# KiCad board first_keyboard.kicad_pcb (continued)
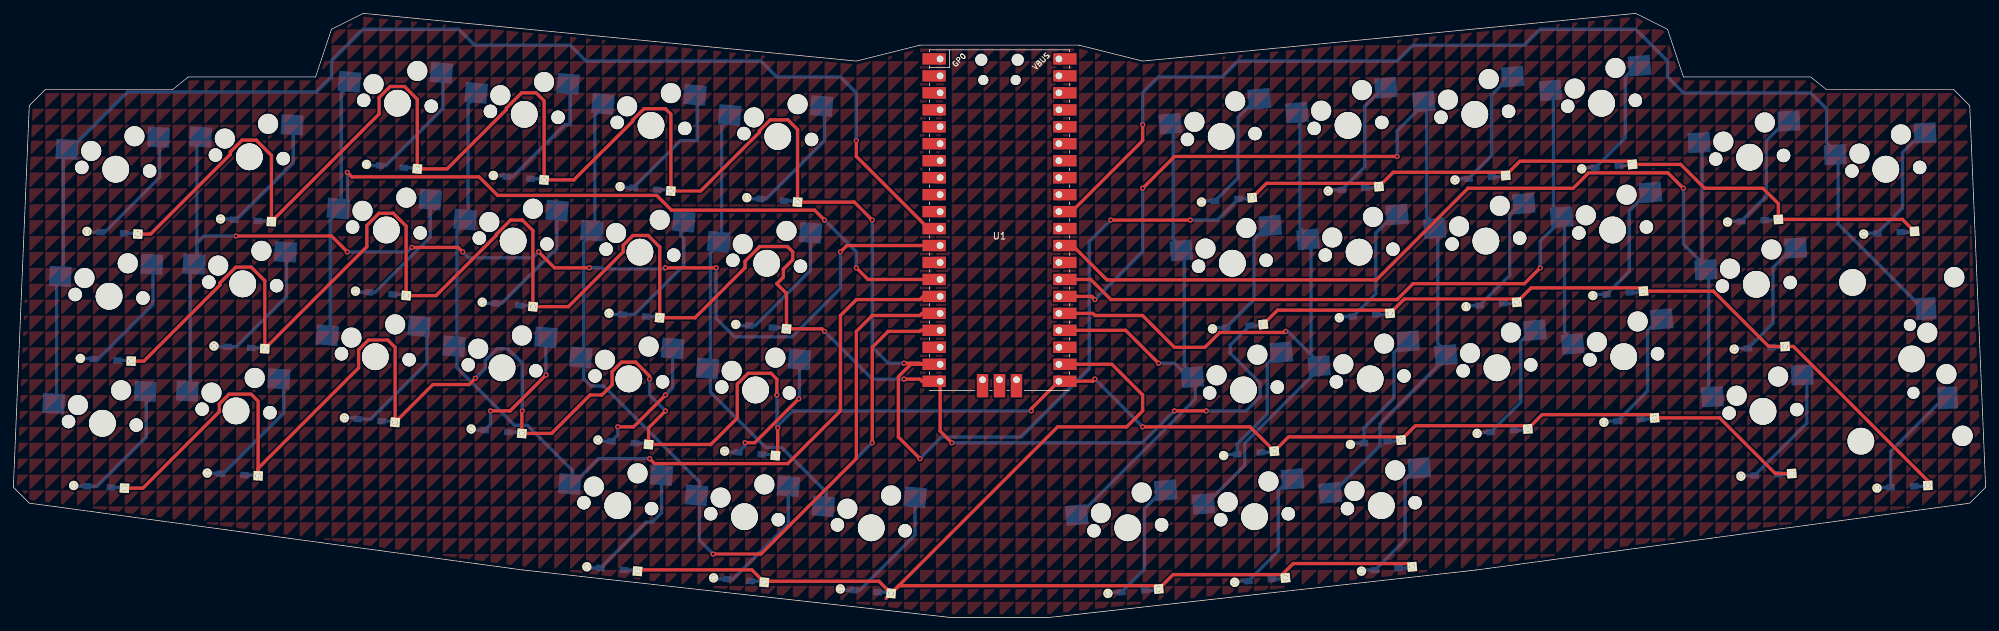
[diagram p0: board, top side]
## Copper pours and planes (outline as drawn; the poured copper is in the pictures) (continued)
(no net) on Top, Bottom: 233.36,28.57 233.36,26.19 235.74,28.57
(no net) on Top, Bottom: 128.59,133.35 128.59,130.97 130.97,133.35
(no net) on Top, Bottom: 59.53,100.01 59.53,97.63 61.91,100.01
(no net) on Top, Bottom: 47.62,102.39 47.62,100.01 50.01,102.39
(no net) on Top, Bottom: 214.31,85.72 214.31,83.34 216.69,85.72
(no net) on Top, Bottom: 219.07,111.92 219.07,109.54 221.46,111.92
(no net) on Top, Bottom: 145.26,73.82 145.26,71.44 147.64,73.82
(no net) on Top, Bottom: 164.31,111.92 164.31,109.54 166.69,111.92
(no net) on Top, Bottom: 80.96,9.53 80.96,7.14 83.34,9.53
(no net) on Top, Bottom: 245.27,71.44 245.27,69.06 247.65,71.44
(no net) on Top, Bottom: 230.98,52.39 230.98,50.01 233.36,52.39
(no net) on Top, Bottom: 50.01,126.21 50.01,123.83 52.39,126.21
(no net) on Top, Bottom: 209.55,-19.05 209.55,-21.43 211.93,-19.05
(no net) on Top, Bottom: 147.64,52.39 147.64,50.01 150.02,52.39
(no net) on Top, Bottom: 54.77,102.39 54.77,100.01 57.15,102.39
(no net) on Top, Bottom: 9.53,69.06 9.53,66.68 11.91,69.06
(no net) on Top, Bottom: 304.8,138.11 304.8,135.73 307.18,138.11
(no net) on Top, Bottom: 54.77,61.91 54.77,59.53 57.15,61.91
(no net) on Top, Bottom: 300.04,109.54 300.04,107.16 302.42,109.54
(no net) on Top, Bottom: 102.39,30.96 102.39,28.57 104.77,30.96
(no net) on Top, Bottom: 169.07,85.72 169.07,83.34 171.45,85.72
(no net) on Top, Bottom: 195.26,59.53 195.26,57.15 197.64,59.53
(no net) on Top, Bottom: 30.96,76.2 30.96,73.82 33.34,76.2
(no net) on Top, Bottom: 300.04,104.78 300.04,102.39 302.42,104.78
(no net) on Top, Bottom: 140.49,-26.19 140.49,-28.57 142.88,-26.19
(no net) on Top, Bottom: 16.67,83.34 16.67,80.96 19.05,83.34
(no net) on Top, Bottom: 304.8,42.86 304.8,40.48 307.18,42.86
(no net) on Top, Bottom: 9.53,-30.96 9.53,-33.34 11.91,-30.96
(no net) on Top, Bottom: 259.56,78.58 259.56,76.2 261.94,78.58
(no net) on Top, Bottom: 295.27,0 295.27,-2.38 297.66,0
(no net) on Top, Bottom: 273.84,78.58 273.84,76.2 276.22,78.58
(no net) on Top, Bottom: 135.73,116.68 135.73,114.3 138.11,116.68
(no net) on Top, Bottom: 16.67,97.63 16.67,95.25 19.05,97.63
(no net) on Top, Bottom: 116.68,128.59 116.68,126.21 119.06,128.59
(no net) on Top, Bottom: 190.5,135.73 190.5,133.35 192.88,135.73
(no net) on Top, Bottom: 47.62,33.34 47.62,30.96 50.01,33.34
(no net) on Top, Bottom: 230.98,30.96 230.98,28.57 233.36,30.96
(no net) on Top, Bottom: 190.5,80.96 190.5,78.58 192.88,80.96
(no net) on Top, Bottom: 133.35,57.15 133.35,54.77 135.73,57.15
(no net) on Top, Bottom: 304.8,47.62 304.8,45.24 307.18,47.62
(no net) on Top, Bottom: 121.44,-2.38 121.44,-4.76 123.83,-2.38
(no net) on Top, Bottom: 278.61,121.44 278.61,119.06 280.99,121.44
(no net) on Top, Bottom: 164.31,-33.34 164.31,-35.72 166.69,-33.34
(no net) on Top, Bottom: 290.51,21.43 290.51,19.05 292.89,21.43
(no net) on Top, Bottom: 250.03,2.38 250.03,0 252.41,2.38
(no net) on Top, Bottom: 292.89,11.91 292.89,9.53 295.27,11.91
(no net) on Top, Bottom: 135.73,-4.76 135.73,-7.14 138.11,-4.76
(no net) on Top, Bottom: 197.64,-28.57 197.64,-30.96 200.02,-28.57
(no net) on Top, Bottom: 192.88,104.78 192.88,102.39 195.26,104.78
(no net) on Top, Bottom: 302.42,150.02 302.42,147.64 304.8,150.02
(no net) on Top, Bottom: 211.93,23.81 211.93,21.43 214.31,23.81
(no net) on Top, Bottom: 14.29,97.63 14.29,95.25 16.67,97.63
(no net) on Top, Bottom: 207.17,57.15 207.17,54.77 209.55,57.15
(no net) on Top, Bottom: 226.22,102.39 226.22,100.01 228.6,102.39
(no net) on Top, Bottom: 252.41,4.76 252.41,2.38 254.79,4.76
(no net) on Top, Bottom: 190.5,-21.43 190.5,-23.81 192.88,-21.43
(no net) on Top, Bottom: 76.2,50.01 76.2,47.62 78.58,50.01
(no net) on Top, Bottom: 50.01,7.14 50.01,4.76 52.39,7.14
(no net) on Top, Bottom: 247.65,30.96 247.65,28.57 250.03,30.96
(no net) on Top, Bottom: 50.01,150.02 50.01,147.64 52.39,150.02
(no net) on Top, Bottom: 33.34,2.38 33.34,0 35.72,2.38
(no net) on Top, Bottom: 152.4,-28.57 152.4,-30.96 154.78,-28.57
(no net) on Top, Bottom: 166.69,64.29 166.69,61.91 169.07,64.29
(no net) on Top, Bottom: 233.36,128.59 233.36,126.21 235.74,128.59
(no net) on Top, Bottom: 223.84,130.97 223.84,128.59 226.22,130.97
(no net) on Top, Bottom: 54.77,-4.76 54.77,-7.14 57.15,-4.76
(no net) on Top, Bottom: 245.27,116.68 245.27,114.3 247.65,116.68
(no net) on Top, Bottom: 185.74,-23.81 185.74,-26.19 188.12,-23.81
(no net) on Top, Bottom: 188.12,90.49 188.12,88.11 190.5,90.49
(no net) on Top, Bottom: 154.78,-30.96 154.78,-33.34 157.16,-30.96
(no net) on Top, Bottom: 209.55,116.68 209.55,114.3 211.93,116.68
(no net) on Top, Bottom: 228.6,-16.67 228.6,-19.05 230.98,-16.67
(no net) on Top, Bottom: 2.38,71.44 2.38,69.06 4.76,71.44
(no net) on Top, Bottom: 38.1,-7.14 38.1,-9.53 40.48,-7.14
(no net) on Top, Bottom: 23.81,-23.81 23.81,-26.19 26.19,-23.81
(no net) on Top, Bottom: 154.78,-16.67 154.78,-19.05 157.16,-16.67
(no net) on Top, Bottom: 226.22,107.16 226.22,104.78 228.6,107.16
(no net) on Top, Bottom: 207.17,97.63 207.17,95.25 209.55,97.63
(no net) on Top, Bottom: 240.51,-16.67 240.51,-19.05 242.89,-16.67
(no net) on Top, Bottom: 269.08,114.3 269.08,111.92 271.46,114.3
(no net) on Top, Bottom: 304.8,11.91 304.8,9.53 307.18,11.91
(no net) on Top, Bottom: 176.21,100.01 176.21,97.63 178.59,100.01
(no net) on Top, Bottom: 280.99,-2.38 280.99,-4.76 283.37,-2.38
(no net) on Top, Bottom: 69.06,4.76 69.06,2.38 71.44,4.76
(no net) on Top, Bottom: 197.64,-2.38 197.64,-4.76 200.02,-2.38
(no net) on Top, Bottom: 242.89,-38.1 242.89,-40.48 245.27,-38.1
(no net) on Top, Bottom: 230.98,19.05 230.98,16.67 233.36,19.05
(no net) on Top, Bottom: 38.1,45.24 38.1,42.86 40.48,45.24
(no net) on Top, Bottom: 264.32,-23.81 264.32,-26.19 266.7,-23.81
(no net) on Top, Bottom: 161.93,33.34 161.93,30.96 164.31,33.34
(no net) on Top, Bottom: 76.2,116.68 76.2,114.3 78.58,116.68
(no net) on Top, Bottom: 92.87,-2.38 92.87,-4.76 95.25,-2.38
(no net) on Top, Bottom: 83.34,80.96 83.34,78.58 85.73,80.96
(no net) on Top, Bottom: 4.76,66.68 4.76,64.29 7.14,66.68
(no net) on Top, Bottom: 247.65,14.29 247.65,11.91 250.03,14.29
(no net) on Top, Bottom: 57.15,-26.19 57.15,-28.57 59.53,-26.19
(no net) on Top, Bottom: 204.79,26.19 204.79,23.81 207.17,26.19
(no net) on Top, Bottom: 185.74,-21.43 185.74,-23.81 188.12,-21.43
(no net) on Top, Bottom: 190.5,57.15 190.5,54.77 192.88,57.15
(no net) on Top, Bottom: 195.26,47.62 195.26,45.24 197.64,47.62
(no net) on Top, Bottom: 50.01,88.11 50.01,85.72 52.39,88.11
(no net) on Top, Bottom: 23.81,19.05 23.81,16.67 26.19,19.05
(no net) on Top, Bottom: 147.64,-19.05 147.64,-21.43 150.02,-19.05
(no net) on Top, Bottom: 11.91,7.14 11.91,4.76 14.29,7.14
(no net) on Top, Bottom: 280.99,11.91 280.99,9.53 283.37,11.91
(no net) on Top, Bottom: 123.83,80.96 123.83,78.58 126.21,80.96
(no net) on Top, Bottom: 35.72,107.16 35.72,104.78 38.1,107.16
(no net) on Top, Bottom: 185.74,109.54 185.74,107.16 188.12,109.54
(no net) on Top, Bottom: 57.15,66.68 57.15,64.29 59.53,66.68
(no net) on Top, Bottom: 180.98,61.91 180.98,59.53 183.36,61.91
(no net) on Top, Bottom: 47.62,-14.29 47.62,-16.67 50.01,-14.29
(no net) on Top, Bottom: 188.12,66.68 188.12,64.29 190.5,66.68
(no net) on Top, Bottom: 266.7,97.63 266.7,95.25 269.08,97.63
(no net) on Top, Bottom: 223.84,-19.05 223.84,-21.43 226.22,-19.05
(no net) on Top, Bottom: 85.73,-2.38 85.73,-4.76 88.11,-2.38
(no net) on Top, Bottom: 157.16,-38.1 157.16,-40.48 159.54,-38.1
(no net) on Top, Bottom: 230.98,97.63 230.98,95.25 233.36,97.63
(no net) on Top, Bottom: 116.68,2.38 116.68,0 119.06,2.38
(no net) on Top, Bottom: 235.74,40.48 235.74,38.1 238.12,40.48
(no net) on Top, Bottom: 188.12,147.64 188.12,145.26 190.5,147.64
(no net) on Top, Bottom: 207.17,107.16 207.17,104.78 209.55,107.16
(no net) on Top, Bottom: 71.44,-16.67 71.44,-19.05 73.82,-16.67
(no net) on Top, Bottom: 66.67,97.63 66.67,95.25 69.06,97.63
(no net) on Top, Bottom: 19.05,45.24 19.05,42.86 21.43,45.24
(no net) on Top, Bottom: 123.83,-19.05 123.83,-21.43 126.21,-19.05
(no net) on Top, Bottom: 302.42,147.64 302.42,145.26 304.8,147.64
(no net) on Top, Bottom: 216.69,145.26 216.69,142.88 219.07,145.26
(no net) on Top, Bottom: 278.61,140.49 278.61,138.11 280.99,140.49
(no net) on Top, Bottom: 300.04,38.1 300.04,35.72 302.42,38.1
(no net) on Top, Bottom: 240.51,116.68 240.51,114.3 242.89,116.68
(no net) on Top, Bottom: 138.11,145.26 138.11,142.88 140.49,145.26
(no net) on Top, Bottom: 283.37,-11.91 283.37,-14.29 285.75,-11.91
(no net) on Top, Bottom: 38.1,33.34 38.1,30.96 40.48,33.34
(no net) on Top, Bottom: 28.58,73.82 28.58,71.44 30.96,73.82
(no net) on Top, Bottom: 130.97,114.3 130.97,111.92 133.35,114.3
(no net) on Top, Bottom: 257.18,57.15 257.18,54.77 259.56,57.15
(no net) on Top, Bottom: 54.77,-14.29 54.77,-16.67 57.15,-14.29
(no net) on Top, Bottom: 102.39,76.2 102.39,73.82 104.77,76.2
(no net) on Top, Bottom: 245.27,45.24 245.27,42.86 247.65,45.24
(no net) on Top, Bottom: 123.83,26.19 123.83,23.81 126.21,26.19
(no net) on Top, Bottom: 135.73,85.72 135.73,83.34 138.11,85.72
(no net) on Top, Bottom: 190.5,142.88 190.5,140.49 192.88,142.88
(no net) on Top, Bottom: 161.93,100.01 161.93,97.63 164.31,100.01
(no net) on Top, Bottom: 135.73,-2.38 135.73,-4.76 138.11,-2.38
(no net) on Top, Bottom: 116.68,-7.14 116.68,-9.53 119.06,-7.14
(no net) on Top, Bottom: 250.03,7.14 250.03,4.76 252.41,7.14
(no net) on Top, Bottom: 216.69,95.25 216.69,92.87 219.07,95.25
(no net) on Top, Bottom: 28.58,123.83 28.58,121.44 30.96,123.83
(no net) on Top, Bottom: 50.01,-28.57 50.01,-30.96 52.39,-28.57
(no net) on Top, Bottom: 102.39,121.44 102.39,119.06 104.77,121.44
(no net) on Top, Bottom: 183.36,142.88 183.36,140.49 185.74,142.88
(no net) on Top, Bottom: 40.48,-23.81 40.48,-26.19 42.86,-23.81
(no net) on Top, Bottom: 35.72,138.11 35.72,135.73 38.1,138.11
(no net) on Top, Bottom: 33.34,78.58 33.34,76.2 35.72,78.58
(no net) on Top, Bottom: 135.73,97.63 135.73,95.25 138.11,97.63
(no net) on Top, Bottom: 235.74,100.01 235.74,97.63 238.12,100.01
(no net) on Top, Bottom: 190.5,45.24 190.5,42.86 192.88,45.24
(no net) on Top, Bottom: 38.1,-28.57 38.1,-30.96 40.48,-28.57
(no net) on Top, Bottom: 38.1,54.77 38.1,52.39 40.48,54.77
(no net) on Top, Bottom: 61.91,16.67 61.91,14.29 64.29,16.67
(no net) on Top, Bottom: 16.67,42.86 16.67,40.48 19.05,42.86
(no net) on Top, Bottom: 283.37,111.92 283.37,109.54 285.75,111.92
(no net) on Top, Bottom: 169.07,121.44 169.07,119.06 171.45,121.44
(no net) on Top, Bottom: 35.72,97.63 35.72,95.25 38.1,97.63
(no net) on Top, Bottom: 30.96,28.57 30.96,26.19 33.34,28.57
(no net) on Top, Bottom: 14.29,52.39 14.29,50.01 16.67,52.39
(no net) on Top, Bottom: 33.34,66.68 33.34,64.29 35.72,66.68
(no net) on Top, Bottom: 21.43,102.39 21.43,100.01 23.81,102.39
(no net) on Top, Bottom: 14.29,54.77 14.29,52.39 16.67,54.77
(no net) on Top, Bottom: 9.53,85.72 9.53,83.34 11.91,85.72
(no net) on Top, Bottom: 200.02,-2.38 200.02,-4.76 202.41,-2.38
(no net) on Top, Bottom: 21.43,23.81 21.43,21.43 23.81,23.81
(no net) on Top, Bottom: 164.31,33.34 164.31,30.96 166.69,33.34
(no net) on Top, Bottom: 297.66,-19.05 297.66,-21.43 300.04,-19.05
(no net) on Top, Bottom: 73.82,-2.38 73.82,-4.76 76.2,-2.38
(no net) on Top, Bottom: 73.82,52.39 73.82,50.01 76.2,52.39
(no net) on Top, Bottom: 290.51,52.39 290.51,50.01 292.89,52.39
(no net) on Top, Bottom: 264.32,126.21 264.32,123.83 266.7,126.21
(no net) on Top, Bottom: 247.65,111.92 247.65,109.54 250.03,111.92
(no net) on Top, Bottom: 126.21,42.86 126.21,40.48 128.59,42.86
(no net) on Top, Bottom: 109.54,33.34 109.54,30.96 111.92,33.34
(no net) on Top, Bottom: 73.82,57.15 73.82,54.77 76.2,57.15
(no net) on Top, Bottom: 19.05,-38.1 19.05,-40.48 21.43,-38.1
(no net) on Top, Bottom: 173.83,30.96 173.83,28.57 176.21,30.96
(no net) on Top, Bottom: 238.12,104.78 238.12,102.39 240.51,104.78
(no net) on Top, Bottom: 197.64,78.58 197.64,76.2 200.02,78.58
(no net) on Top, Bottom: 133.35,11.91 133.35,9.53 135.73,11.91
(no net) on Top, Bottom: 133.35,-21.43 133.35,-23.81 135.73,-21.43
(no net) on Top, Bottom: 154.78,-19.05 154.78,-21.43 157.16,-19.05
(no net) on Top, Bottom: 211.93,19.05 211.93,16.67 214.31,19.05
(no net) on Top, Bottom: 245.27,-14.29 245.27,-16.67 247.65,-14.29
(no net) on Top, Bottom: 230.98,69.06 230.98,66.68 233.36,69.06
(no net) on Top, Bottom: 114.3,73.82 114.3,71.44 116.68,73.82
(no net) on Top, Bottom: 235.74,76.2 235.74,73.82 238.12,76.2
(no net) on Top, Bottom: 228.6,-23.81 228.6,-26.19 230.98,-23.81
(no net) on Top, Bottom: 261.94,47.62 261.94,45.24 264.32,47.62
(no net) on Top, Bottom: 138.11,111.92 138.11,109.54 140.49,111.92
(no net) on Top, Bottom: 85.73,107.16 85.73,104.78 88.11,107.16
(no net) on Top, Bottom: 209.55,90.49 209.55,88.11 211.93,90.49
(no net) on Top, Bottom: 195.26,-33.34 195.26,-35.72 197.64,-33.34
(no net) on Top, Bottom: 257.18,119.06 257.18,116.68 259.56,119.06
(no net) on Top, Bottom: 83.34,26.19 83.34,23.81 85.73,26.19
(no net) on Top, Bottom: 259.56,66.68 259.56,64.29 261.94,66.68
(no net) on Top, Bottom: 42.86,-19.05 42.86,-21.43 45.24,-19.05
(no net) on Top, Bottom: 69.06,111.92 69.06,109.54 71.44,111.92
(no net) on Top, Bottom: 169.07,140.49 169.07,138.11 171.45,140.49
(no net) on Top, Bottom: 126.21,57.15 126.21,54.77 128.59,57.15
(no net) on Top, Bottom: 176.21,138.11 176.21,135.73 178.59,138.11
(no net) on Top, Bottom: 7.14,7.14 7.14,4.76 9.53,7.14
(no net) on Top, Bottom: 114.3,35.72 114.3,33.34 116.68,35.72
(no net) on Top, Bottom: 164.31,121.44 164.31,119.06 166.69,121.44
(no net) on Top, Bottom: 283.37,0 283.37,-2.38 285.75,0
(no net) on Top, Bottom: 292.89,19.05 292.89,16.67 295.27,19.05
(no net) on Top, Bottom: 297.66,-38.1 297.66,-40.48 300.04,-38.1
(no net) on Top, Bottom: 33.34,47.62 33.34,45.24 35.72,47.62
(no net) on Top, Bottom: 273.84,135.73 273.84,133.35 276.22,135.73
(no net) on Top, Bottom: 14.29,69.06 14.29,66.68 16.67,69.06
(no net) on Top, Bottom: 269.08,11.91 269.08,9.53 271.46,11.91
(no net) on Top, Bottom: 138.11,0 138.11,-2.38 140.49,0
(no net) on Top, Bottom: 114.3,-35.72 114.3,-38.1 116.68,-35.72
(no net) on Top, Bottom: 257.18,50.01 257.18,47.62 259.56,50.01
(no net) on Top, Bottom: 283.37,16.67 283.37,14.29 285.75,16.67
(no net) on Top, Bottom: 238.12,100.01 238.12,97.63 240.51,100.01
(no net) on Top, Bottom: 292.89,97.63 292.89,95.25 295.27,97.63
(no net) on Top, Bottom: 59.53,80.96 59.53,78.58 61.91,80.96
(no net) on Top, Bottom: 254.79,59.53 254.79,57.15 257.18,59.53
(no net) on Top, Bottom: 11.91,83.34 11.91,80.96 14.29,83.34
(no net) on Top, Bottom: 223.84,47.62 223.84,45.24 226.22,47.62
(no net) on Top, Bottom: 238.12,-38.1 238.12,-40.48 240.51,-38.1
(no net) on Top, Bottom: 302.42,40.48 302.42,38.1 304.8,40.48
(no net) on Top, Bottom: 130.97,-19.05 130.97,-21.43 133.35,-19.05
(no net) on Top, Bottom: 300.04,23.81 300.04,21.43 302.42,23.81
(no net) on Top, Bottom: 235.74,69.06 235.74,66.68 238.12,69.06
(no net) on Top, Bottom: 40.48,-28.57 40.48,-30.96 42.86,-28.57
(no net) on Top, Bottom: 23.81,92.87 23.81,90.49 26.19,92.87
(no net) on Top, Bottom: 54.77,119.06 54.77,116.68 57.15,119.06
(no net) on Top, Bottom: 90.49,85.72 90.49,83.34 92.87,85.72
(no net) on Top, Bottom: 171.45,123.83 171.45,121.44 173.83,123.83
(no net) on Top, Bottom: 107.16,-7.14 107.16,-9.53 109.54,-7.14
(no net) on Top, Bottom: 14.29,-7.14 14.29,-9.53 16.67,-7.14
(no net) on Top, Bottom: 180.98,140.49 180.98,138.11 183.36,140.49
(no net) on Top, Bottom: 107.16,78.58 107.16,76.2 109.54,78.58
(no net) on Top, Bottom: 269.08,126.21 269.08,123.83 271.46,126.21
(no net) on Top, Bottom: 192.88,26.19 192.88,23.81 195.26,26.19
(no net) on Top, Bottom: 152.4,-35.72 152.4,-38.1 154.78,-35.72
(no net) on Top, Bottom: 95.25,76.2 95.25,73.82 97.63,76.2
(no net) on Top, Bottom: 292.89,-7.14 292.89,-9.53 295.27,-7.14
(no net) on Top, Bottom: 295.27,7.14 295.27,4.76 297.66,7.14
(no net) on Top, Bottom: 238.12,150.02 238.12,147.64 240.51,150.02
(no net) on Top, Bottom: 226.22,100.01 226.22,97.63 228.6,100.01
(no net) on Top, Bottom: 223.84,19.05 223.84,16.67 226.22,19.05
(no net) on Top, Bottom: 295.27,104.78 295.27,102.39 297.66,104.78
(no net) on Top, Bottom: 242.89,42.86 242.89,40.48 245.27,42.86
(no net) on Top, Bottom: 47.62,147.64 47.62,145.26 50.01,147.64
(no net) on Top, Bottom: 61.91,126.21 61.91,123.83 64.29,126.21
(no net) on Top, Bottom: 240.51,14.29 240.51,11.91 242.89,14.29
(no net) on Top, Bottom: 257.18,42.86 257.18,40.48 259.56,42.86
(no net) on Top, Bottom: 228.6,2.38 228.6,0 230.98,2.38
(no net) on Top, Bottom: 219.07,123.83 219.07,121.44 221.46,123.83
(no net) on Top, Bottom: 152.4,28.57 152.4,26.19 154.78,28.57
(no net) on Top, Bottom: 119.06,147.64 119.06,145.26 121.44,147.64
(no net) on Top, Bottom: 195.26,100.01 195.26,97.63 197.64,100.01
(no net) on Top, Bottom: 88.11,-14.29 88.11,-16.67 90.49,-14.29
(no net) on Top, Bottom: 219.07,102.39 219.07,100.01 221.46,102.39
(no net) on Top, Bottom: 97.63,59.53 97.63,57.15 100.01,59.53
(no net) on Top, Bottom: 26.19,33.34 26.19,30.96 28.58,33.34
(no net) on Top, Bottom: 2.38,88.11 2.38,85.72 4.76,88.11
(no net) on Top, Bottom: 140.49,-7.14 140.49,-9.53 142.88,-7.14
(no net) on Top, Bottom: 250.03,28.57 250.03,26.19 252.41,28.57
(no net) on Top, Bottom: 42.86,135.73 42.86,133.35 45.24,135.73
(no net) on Top, Bottom: 197.64,147.64 197.64,145.26 200.02,147.64
(no net) on Top, Bottom: 230.98,78.58 230.98,76.2 233.36,78.58
(no net) on Top, Bottom: 180.98,133.35 180.98,130.97 183.36,133.35
(no net) on Top, Bottom: 73.82,114.3 73.82,111.92 76.2,114.3
(no net) on Top, Bottom: 50.01,-7.14 50.01,-9.53 52.39,-7.14
(no net) on Top, Bottom: 221.46,88.11 221.46,85.72 223.84,88.11
(no net) on Top, Bottom: 11.91,-23.81 11.91,-26.19 14.29,-23.81
(no net) on Top, Bottom: 57.15,14.29 57.15,11.91 59.53,14.29
(no net) on Top, Bottom: 92.87,-35.72 92.87,-38.1 95.25,-35.72
(no net) on Top, Bottom: 54.77,14.29 54.77,11.91 57.15,14.29
(no net) on Top, Bottom: 288.13,83.34 288.13,80.96 290.51,83.34
(no net) on Top, Bottom: 154.78,-2.38 154.78,-4.76 157.16,-2.38
(no net) on Top, Bottom: 28.58,-38.1 28.58,-40.48 30.96,-38.1
(no net) on Top, Bottom: 45.24,76.2 45.24,73.82 47.62,76.2
(no net) on Top, Bottom: 166.69,-19.05 166.69,-21.43 169.07,-19.05
(no net) on Top, Bottom: 252.41,21.43 252.41,19.05 254.79,21.43
(no net) on Top, Bottom: 140.49,16.67 140.49,14.29 142.88,16.67
(no net) on Top, Bottom: 133.35,71.44 133.35,69.06 135.73,71.44
(no net) on Top, Bottom: 211.93,9.53 211.93,7.14 214.31,9.53
(no net) on Top, Bottom: 271.46,2.38 271.46,0 273.84,2.38
(no net) on Top, Bottom: 204.79,111.92 204.79,109.54 207.17,111.92
(no net) on Top, Bottom: 188.12,0 188.12,-2.38 190.5,0
(no net) on Top, Bottom: 230.98,-38.1 230.98,-40.48 233.36,-38.1
(no net) on Top, Bottom: 150.02,-28.57 150.02,-30.96 152.4,-28.57
(no net) on Top, Bottom: 290.51,97.63 290.51,95.25 292.89,97.63
(no net) on Top, Bottom: 142.88,-7.14 142.88,-9.53 145.26,-7.14
(no net) on Top, Bottom: 59.53,50.01 59.53,47.62 61.91,50.01
(no net) on Top, Bottom: 216.69,-35.72 216.69,-38.1 219.07,-35.72
(no net) on Top, Bottom: 23.81,-9.53 23.81,-11.91 26.19,-9.53
(no net) on Top, Bottom: 207.17,52.39 207.17,50.01 209.55,52.39
(no net) on Top, Bottom: 107.16,23.81 107.16,21.43 109.54,23.81
(no net) on Top, Bottom: 197.64,-9.53 197.64,-11.91 200.02,-9.53
(no net) on Top, Bottom: 138.11,7.14 138.11,4.76 140.49,7.14
(no net) on Top, Bottom: 250.03,121.44 250.03,119.06 252.41,121.44
(no net) on Top, Bottom: 4.76,59.53 4.76,57.15 7.14,59.53
(no net) on Top, Bottom: 123.83,78.58 123.83,76.2 126.21,78.58
(no net) on Top, Bottom: 233.36,-26.19 233.36,-28.57 235.74,-26.19
(no net) on Top, Bottom: 92.87,40.48 92.87,38.1 95.25,40.48
(no net) on Top, Bottom: 188.12,4.76 188.12,2.38 190.5,4.76
(no net) on Top, Bottom: 4.76,78.58 4.76,76.2 7.14,78.58
(no net) on Top, Bottom: 50.01,9.53 50.01,7.14 52.39,9.53
(no net) on Top, Bottom: 2.38,54.77 2.38,52.39 4.76,54.77
(no net) on Top, Bottom: 71.44,142.88 71.44,140.49 73.82,142.88
(no net) on Top, Bottom: 57.15,11.91 57.15,9.53 59.53,11.91
(no net) on Top, Bottom: 35.72,126.21 35.72,123.83 38.1,126.21
(no net) on Top, Bottom: 104.77,28.57 104.77,26.19 107.16,28.57
(no net) on Top, Bottom: 61.91,69.06 61.91,66.68 64.29,69.06
(no net) on Top, Bottom: 223.84,-35.72 223.84,-38.1 226.22,-35.72
(no net) on Top, Bottom: 266.7,140.49 266.7,138.11 269.08,140.49
(no net) on Top, Bottom: 280.99,4.76 280.99,2.38 283.37,4.76
(no net) on Top, Bottom: 128.59,-9.53 128.59,-11.91 130.97,-9.53
(no net) on Top, Bottom: 102.39,-14.29 102.39,-16.67 104.77,-14.29
(no net) on Top, Bottom: 297.66,71.44 297.66,69.06 300.04,71.44
(no net) on Top, Bottom: 140.49,119.06 140.49,116.68 142.88,119.06
(no net) on Top, Bottom: 292.89,33.34 292.89,30.96 295.27,33.34
(no net) on Top, Bottom: 180.98,-16.67 180.98,-19.05 183.36,-16.67
(no net) on Top, Bottom: 109.54,66.68 109.54,64.29 111.92,66.68
(no net) on Top, Bottom: 121.44,123.83 121.44,121.44 123.83,123.83
(no net) on Top, Bottom: 192.88,85.72 192.88,83.34 195.26,85.72
(no net) on Top, Bottom: 128.59,21.43 128.59,19.05 130.97,21.43
(no net) on Top, Bottom: 214.31,23.81 214.31,21.43 216.69,23.81
(no net) on Top, Bottom: 128.59,111.92 128.59,109.54 130.97,111.92
(no net) on Top, Bottom: 19.05,100.01 19.05,97.63 21.43,100.01
(no net) on Top, Bottom: 92.87,57.15 92.87,54.77 95.25,57.15
(no net) on Top, Bottom: 254.79,33.34 254.79,30.96 257.18,33.34
(no net) on Top, Bottom: 226.22,119.06 226.22,116.68 228.6,119.06
(no net) on Top, Bottom: 114.3,-33.34 114.3,-35.72 116.68,-33.34
(no net) on Top, Bottom: 250.03,78.58 250.03,76.2 252.41,78.58
(no net) on Top, Bottom: 297.66,50.01 297.66,47.62 300.04,50.01
(no net) on Top, Bottom: 4.76,80.96 4.76,78.58 7.14,80.96
(no net) on Top, Bottom: 264.32,121.44 264.32,119.06 266.7,121.44
(no net) on Top, Bottom: 216.69,35.72 216.69,33.34 219.07,35.72
(no net) on Top, Bottom: 214.31,35.72 214.31,33.34 216.69,35.72
(no net) on Top, Bottom: 159.54,69.06 159.54,66.68 161.93,69.06
(no net) on Top, Bottom: 290.51,-21.43 290.51,-23.81 292.89,-21.43
(no net) on Top, Bottom: 216.69,-19.05 216.69,-21.43 219.07,-19.05
(no net) on Top, Bottom: 107.16,47.62 107.16,45.24 109.54,47.62
(no net) on Top, Bottom: 183.36,40.48 183.36,38.1 185.74,40.48
(no net) on Top, Bottom: 159.54,23.81 159.54,21.43 161.93,23.81
(no net) on Top, Bottom: 23.81,9.53 23.81,7.14 26.19,9.53
(no net) on Top, Bottom: 242.89,35.72 242.89,33.34 245.27,35.72
(no net) on Top, Bottom: 247.65,130.97 247.65,128.59 250.03,130.97
(no net) on Top, Bottom: 195.26,40.48 195.26,38.1 197.64,40.48
(no net) on Top, Bottom: 226.22,-11.91 226.22,-14.29 228.6,-11.91
(no net) on Top, Bottom: 38.1,19.05 38.1,16.67 40.48,19.05
(no net) on Top, Bottom: 230.98,116.68 230.98,114.3 233.36,116.68
(no net) on Top, Bottom: 71.44,69.06 71.44,66.68 73.82,69.06
(no net) on Top, Bottom: 176.21,-9.53 176.21,-11.91 178.59,-9.53
(no net) on Top, Bottom: 26.19,-7.14 26.19,-9.53 28.58,-7.14
(no net) on Top, Bottom: 135.73,109.54 135.73,107.16 138.11,109.54
(no net) on Top, Bottom: 261.94,-26.19 261.94,-28.57 264.32,-26.19
(no net) on Top, Bottom: 297.66,30.96 297.66,28.57 300.04,30.96
(no net) on Top, Bottom: 147.64,69.06 147.64,66.68 150.02,69.06
(no net) on Top, Bottom: 97.63,50.01 97.63,47.62 100.01,50.01
(no net) on Top, Bottom: 278.61,4.76 278.61,2.38 280.99,4.76
(no net) on Top, Bottom: 61.91,59.53 61.91,57.15 64.29,59.53
(no net) on Top, Bottom: 304.8,59.53 304.8,57.15 307.18,59.53
(no net) on Top, Bottom: 278.61,135.73 278.61,133.35 280.99,135.73
(no net) on Top, Bottom: 211.93,-30.96 211.93,-33.34 214.31,-30.96
(no net) on Top, Bottom: 40.48,88.11 40.48,85.72 42.86,88.11
(no net) on Top, Bottom: 80.96,-7.14 80.96,-9.53 83.34,-7.14
(no net) on Top, Bottom: 123.83,59.53 123.83,57.15 126.21,59.53
(no net) on Top, Bottom: 152.4,95.25 152.4,92.87 154.78,95.25
(no net) on Top, Bottom: 211.93,2.38 211.93,0 214.31,2.38
(no net) on Top, Bottom: 228.6,28.57 228.6,26.19 230.98,28.57
(no net) on Top, Bottom: 302.42,-16.67 302.42,-19.05 304.8,-16.67
(no net) on Top, Bottom: 178.59,116.68 178.59,114.3 180.98,116.68
(no net) on Top, Bottom: 304.8,9.53 304.8,7.14 307.18,9.53
(no net) on Top, Bottom: 47.62,-7.14 47.62,-9.53 50.01,-7.14
(no net) on Top, Bottom: 114.3,69.06 114.3,66.68 116.68,69.06
(no net) on Top, Bottom: 228.6,130.97 228.6,128.59 230.98,130.97
(no net) on Top, Bottom: 76.2,-35.72 76.2,-38.1 78.58,-35.72
(no net) on Top, Bottom: 147.64,73.82 147.64,71.44 150.02,73.82
(no net) on Top, Bottom: 190.5,-16.67 190.5,-19.05 192.88,-16.67
(no net) on Top, Bottom: 252.41,45.24 252.41,42.86 254.79,45.24
(no net) on Top, Bottom: 16.67,78.58 16.67,76.2 19.05,78.58
(no net) on Top, Bottom: 138.11,102.39 138.11,100.01 140.49,102.39
(no net) on Top, Bottom: 71.44,100.01 71.44,97.63 73.82,100.01
(no net) on Top, Bottom: 300.04,114.3 300.04,111.92 302.42,114.3
(no net) on Top, Bottom: 171.45,61.91 171.45,59.53 173.83,61.91
(no net) on Top, Bottom: 273.84,138.11 273.84,135.73 276.22,138.11
(no net) on Top, Bottom: 64.29,-33.34 64.29,-35.72 66.67,-33.34
(no net) on Top, Bottom: 145.26,0 145.26,-2.38 147.64,0
